# KiCad board register-backplane.kicad_pcb (continued)
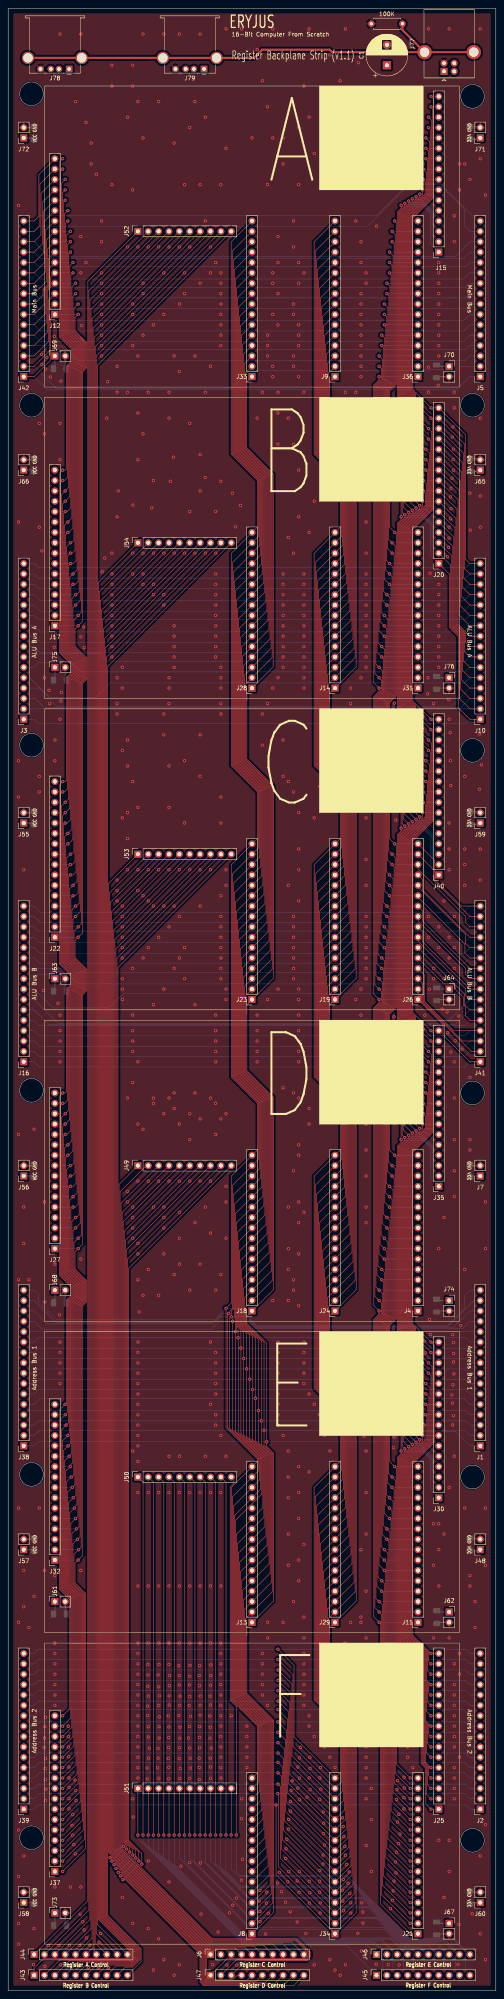
[diagram p0: board, top side]
## Routing (per net, layer and track width the routed paths; a pad name or vN(x,y) marks a point on that pad's centre or on a via; arc(x,y) is an arc through that point) (continued)
MainBitE: length 548.9
  Top w0.127: 12.83,327.53 15.7,324.66 15.7,322.45 14.59,321.33 14.59,294.16 13.8,293.37 v1(13.34,293.37) 12.8,292.84 12.8,251.36 ; J42.15 6.35,430.53 7.77,431.95 7.77,442.11 J12.15 ; v1(13.34,64.77) 15.34,66.77 15.34,95.82 12.8,98.35 12.8,139.8 v1(13.97,140.97) 14.56,141.56 14.56,168.96 15.67,170.07 15.67,172.29 12.8,175.16 12.8,216.64 v1(13.34,217.17) 13.8,217.17 14.59,217.96 14.59,245.13 15.7,246.25 15.7,248.46 12.83,251.33 ; 12.8,327.56 12.8,369.04 v1(13.34,369.57) 13.8,369.57 14.59,370.36 14.59,397.53 15.7,398.65 15.7,401.83 12.8,404.72 12.8,445.24 v1(13.34,445.77)
  Bottom w0.127: J22.15 v1(13.34,293.37) ; J17.15 v1(13.34,369.57) ; J5.15 113.03,430.53 111.76,431.8 111.76,435.81 105.64,441.94 98.12,441.94 87.99,431.8 7.62,431.8 6.35,430.53 J42.15 ; J12.15 v1(13.34,445.77) ; J32.15 v1(13.97,140.97) ; v1(13.34,217.17) J27.15 ; v1(13.34,64.77) J37.15
MainBitF: length 544.3
  Top w0.127: 12.57,251.23 15.44,248.36 15.44,246.35 14.33,245.24 14.33,220.09 13.95,219.71 v1(13.34,219.71) 12.55,218.92 12.55,175.06 15.42,172.19 15.42,170.18 14.31,169.07 14.31,143.85 12.55,142.09 12.55,98.25 15.08,95.71 15.08,69.06 v1(13.34,67.31) ; 12.55,327.46 12.55,371.32 v1(13.34,372.11) 13.95,372.11 14.33,372.49 14.33,397.64 15.44,398.75 15.44,401.72 12.55,404.62 12.55,447.52 v1(13.34,448.31) ; 12.55,251.26 12.55,295.12 v1(13.34,295.91) 13.95,295.91 14.33,296.29 14.33,321.44 15.44,322.55 15.44,324.56 12.57,327.43 ; J42.16 6.35,433.07 7.52,434.24 7.52,444.4 J12.16
  Bottom w0.127: 13.97,143.51 J32.16 ; v1(13.34,219.71) J27.16 ; J37.16 v1(13.34,67.31) ; J22.16 v1(13.34,295.91) ; J12.16 v1(13.34,448.31) ; J17.16 v1(13.34,372.11) ; J42.16 6.35,433.07 7.62,434.34 90.17,434.34 98.02,442.19 105.82,442.19 114.94,433.07
  vias: v1(13.94,143.51)
MainBusAssert_A: length 233.1
  Top w0.127: J47.6 60.68,2.26 48.28,2.26 47.98,2.56 47.98,9.36 26.48,30.86 v1(25.91,30.86) ; J49.6 28.4,185.88 28.4,36.48 29.74,35.13 v1(29.74,33.96)
  Bottom w0.127: v1(29.74,33.96) 29.01,33.96 v1(25.91,30.86)
MainBusAssert_B: length 161.3
  Top w0.127: J50.6 45.72,124.46 45.72,38.15 v1(45.69,38.13)
  Bottom w0.127: J46.6 101.02,10.74 97.51,10.74 90.24,18.01 61.32,18.01 61.32,18.01 61.31,18.01 59.26,18.01 45.69,31.57 v1(45.69,38.13)
MainBusAssert_C: length 90
  Top w0.127: J51.6 44.45,38.15 v1(44.42,38.13)
  Bottom w0.127: v1(44.42,38.13) 44.42,32.48 59.15,17.75 66.45,17.75 66.45,17.76 90.14,17.76 97.41,10.49 100.61,10.49 101.83,9.27 101.83,4.85 J45.6
MainBusAssert_D: length 432.2
  Top w0.127: J44.6 20.78,10.62 20.78,406.86 J52.6
MainBusAssert_E: length 298.4
  Top w0.127: J53.6 25.86,259.54 25.86,34.36 49.27,10.95 60.17,10.95 J6.6
MainBusAssert_F: length 372.7
  Top w0.127: J43.6 21.82,6.58 30.17,6.58 31.52,7.93 31.52,9.85 23.32,18.05 23.32,333.2 J54.6
RegisterInput0_A: length 251.2
  Top w0.127: 33.83,201.93 27.38,195.48 27.38,34.99 49.9,12.47 70.64,12.47 73.79,9.32 73.79,8.46 72.93,7.6 55.86,7.6 J47.2
RegisterInput0_B: length 159.5
  Top w0.127: v1(35.56,38.1) 35.56,124.46 J50.2
  Bottom w0.127: J46.2 89.69,11.91 58.23,11.91 35.56,34.58 v1(35.56,38.1)
RegisterInput0_C: length 88.3
  Top w0.127: J51.2 v1(34.29,38.1)
  Bottom w0.127: J45.2 91.67,4.85 91.67,9.57 89.58,11.66 58.12,11.66 34.29,35.49 v1(34.29,38.1)
RegisterInput0_D: length 432.2
  Top w0.127: J52.2 19.76,416 19.76,19.76 J44.2
RegisterInput0_E: length 285.7
  Top w0.127: J6.2 51.03,9.93 48.85,9.93 24.84,33.94 24.84,268.68 J53.2
RegisterInput0_F: length 377.8
  Top w0.127: J43.2 12.68,7.6 29.75,7.6 30.5,8.35 30.5,9.43 22.3,17.63 22.3,342.34 J54.2
RegisterInput1_A: length 250.1
  Top w0.127: J47.3 58.14,7.34 73.03,7.34 74.04,8.35 74.04,9.43 70.75,12.72 50.01,12.72 27.64,35.1 27.64,192.74 J49.3
RegisterInput1_B: length 160.5
  Top w0.127: v1(38.1,38.1) 38.1,124.46 J50.3
  Bottom w0.127: J46.3 91.72,12.42 58.44,12.42 38.1,32.76 v1(38.1,38.1)
RegisterInput1_C: length 89.4
  Top w0.127: J51.3 v1(36.83,38.1)
  Bottom w0.127: J45.3 94.18,4.88 94.18,9.6 91.61,12.17 58.33,12.17 36.83,33.67 v1(36.83,38.1)
RegisterInput1_D: length 432.2
  Top w0.127: J52.3 20.02,413.72 20.02,17.48 J44.3
RegisterInput1_E: length 288.9
  Top w0.127: J6.3 53.32,10.18 48.95,10.18 25.1,34.04 25.1,266.4 J53.3
RegisterInput1_F: length 376.6
  Top w0.127: J43.3 14.96,7.34 29.85,7.34 30.76,8.25 30.76,9.53 22.56,17.73 22.56,340.06 J54.3
SwapBusAssert_A: length 229.9
  Top w0.127: v1(28.98,34.68) 28.98,35.53 28.14,36.37 28.14,188.16 J49.5 ; J47.5 58.4,2.52 48.38,2.52 48.24,2.66 48.24,9.47 25.95,31.75 v1(25.38,31.75)
  Bottom w0.127: 28.23,34.68 28.14,34.6 ; 28.23,34.68 v1(28.98,34.68) ; 28.23,34.68 28.14,34.6 ; 28.23,34.68 28.88,34.68 ; 28.14,34.6 25.38,31.84 v1(25.38,31.75)
SwapBusAssert_B: length 161.3
  Top w0.127: J50.5 43.18,124.46 43.18,38.15 v1(43.15,38.13)
  Bottom w0.127: J46.5 98.99,10.23 97.3,10.23 92.09,15.44 59.29,15.44 43.15,31.57 v1(43.15,38.13)
SwapBusAssert_C: length 89.7
  Top w0.127: v1(41.88,38.13) 41.91,38.15 J51.5
  Bottom w0.127: J45.5 99.29,4.85 99.29,8.89 98.25,9.93 97.24,9.93 92.16,15.01 59.36,15.01 41.88,32.48 v1(41.88,38.13)
SwapBusAssert_D: length 432.2
  Top w0.127: J52.5 20.52,409.14 20.52,12.9 J44.5
SwapBusAssert_E: length 295.2
  Top w0.127: J6.5 57.89,10.69 49.16,10.69 25.6,34.25 25.6,261.82 J53.5
SwapBusAssert_F: length 374
  Top w0.127: J43.5 19.53,6.83 30.06,6.83 31.27,8.04 31.27,9.74 23.06,17.95 23.06,335.48 J54.5
Net-(J77-Shield): length 119.4
  Top w0.5: J78.5 J78.5 J79.5 J79.5 60.15,472.97 62.16,474.98 78.67,474.98 79.27,474.38 J77.5 ; J77.5 96.52,479.79 R1.1 ; J77.5 J77.5

## Copper pours and planes (outline as drawn; the poured copper is in the pictures)
GNDREF on Top, Bottom: 1.27,483.87 118.11,483.87 118.11,1.27 1.27,1.27
GNDREF on In1.GND: 1.27,483.87 118.11,483.87 118.11,1.27 1.27,1.27
VCC on In2.VCC: 1.27,483.87 118.11,483.87 118.11,1.27 1.27,1.27

## Text on the board
F.Silkscreen: VCC GND | GND VCC | Register A Control | Register B Control | Register C Control | Register D Control | Register F Control | Register E Control | 16-Bit Computer From Scratch | Main Bus | ALU Bus A | Address Bus 1 | ALU Bus B | Address Bus 2 | Register Backplane Strip (v1.1) | ERYJUS | A | B | C | D | E | F
